# Altium PCB SunS_main_board.PcbDoc (part 1 of 2)
Units mil, origin at the board's own origin, x right, y up, seen from the top; angles counter-clockwise.
Board outline 1161.42 x 1161.42 mil, 6 copper layers (Component Side, GND, Inner Layer 1, Inner Layer 2, VCC, Solder Side), stack 51.068 mil thick; 120 components, 71 nets, 337 pads, 106 vias.
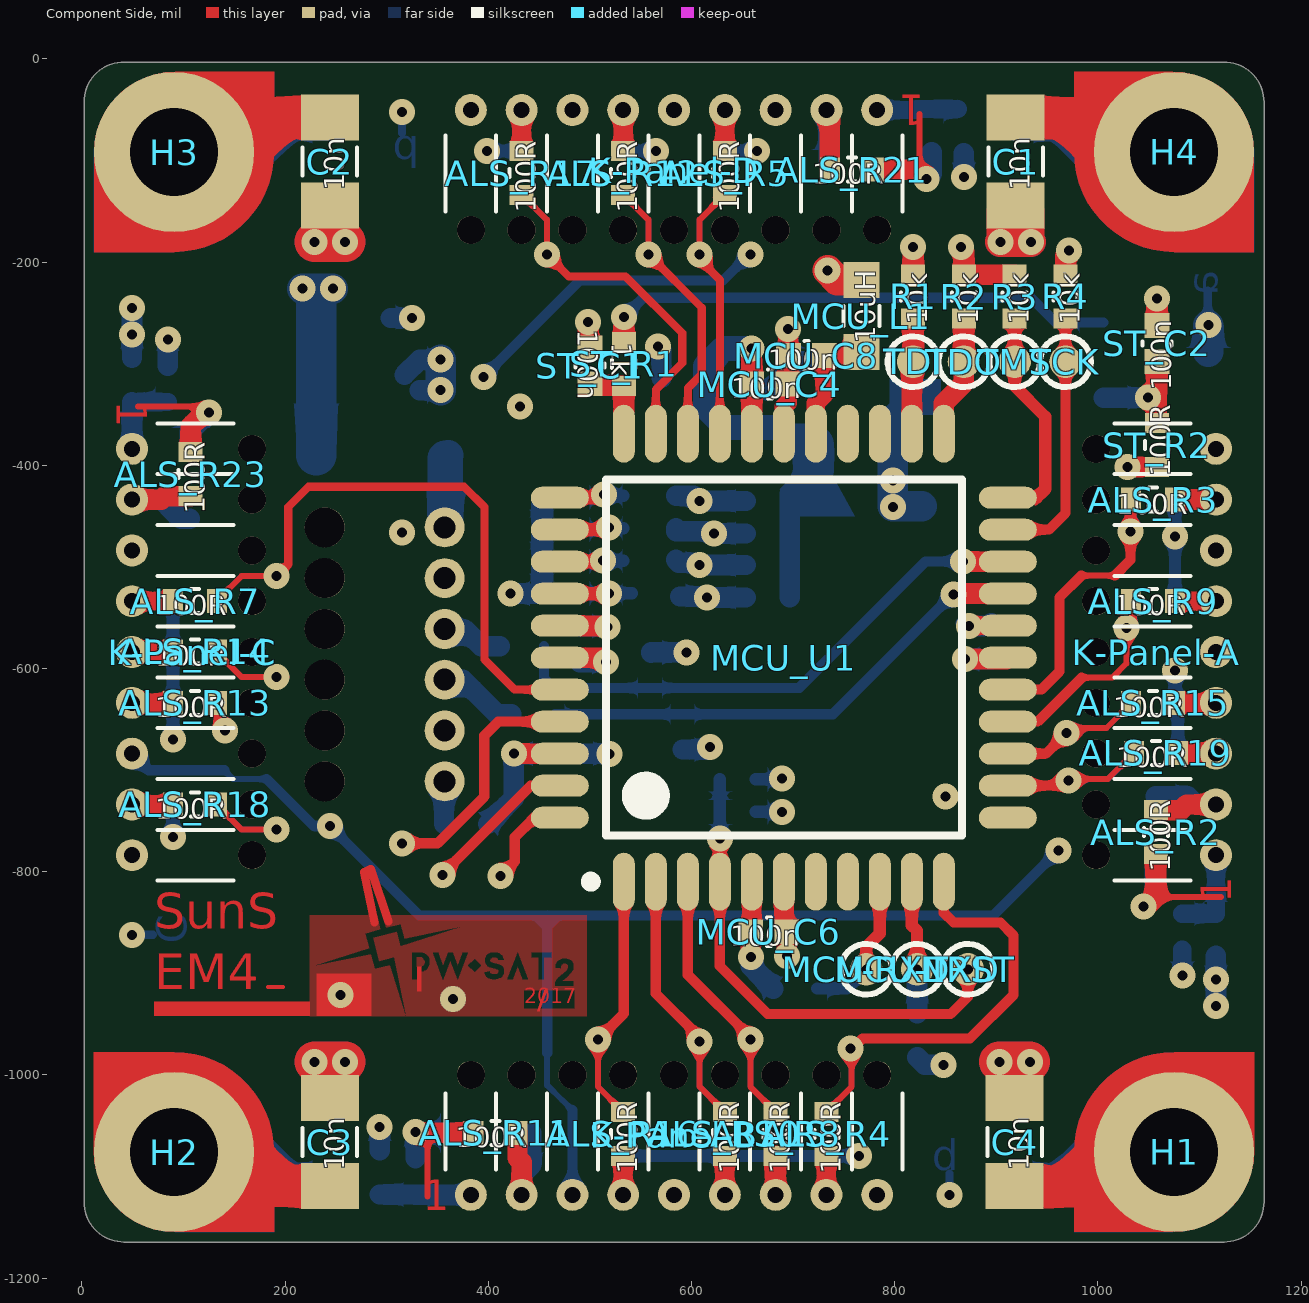
[diagram p0: Component Side view]
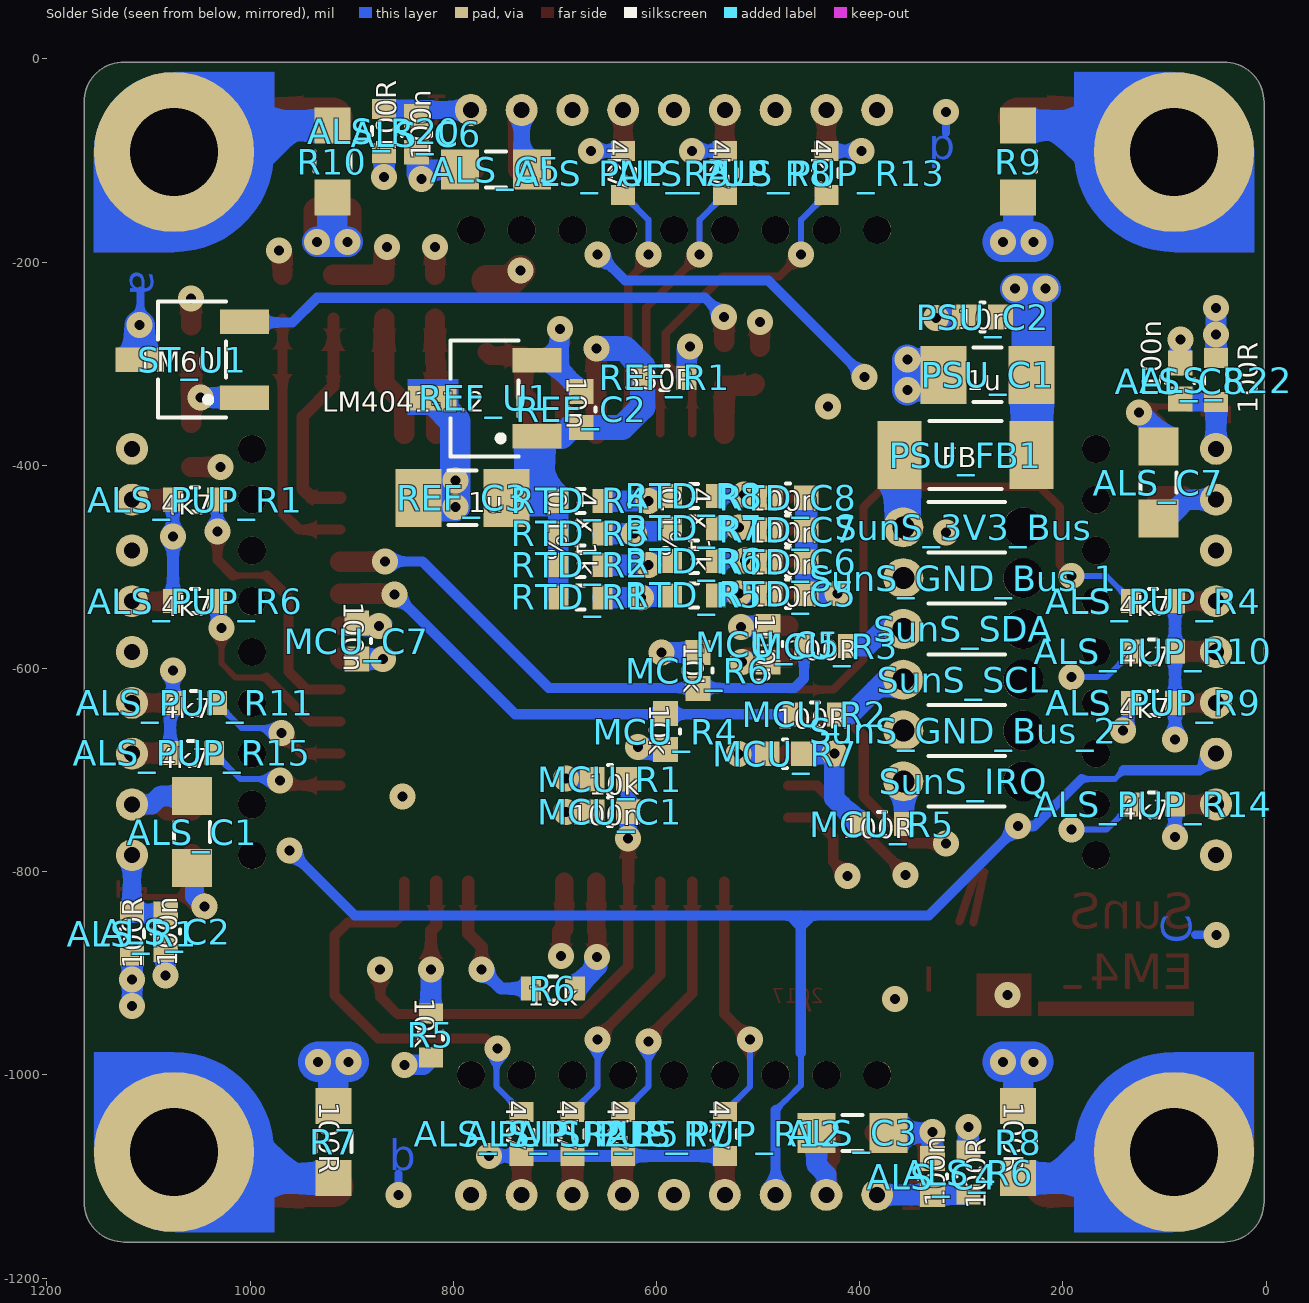
[diagram p1: Solder Side view, seen from below]
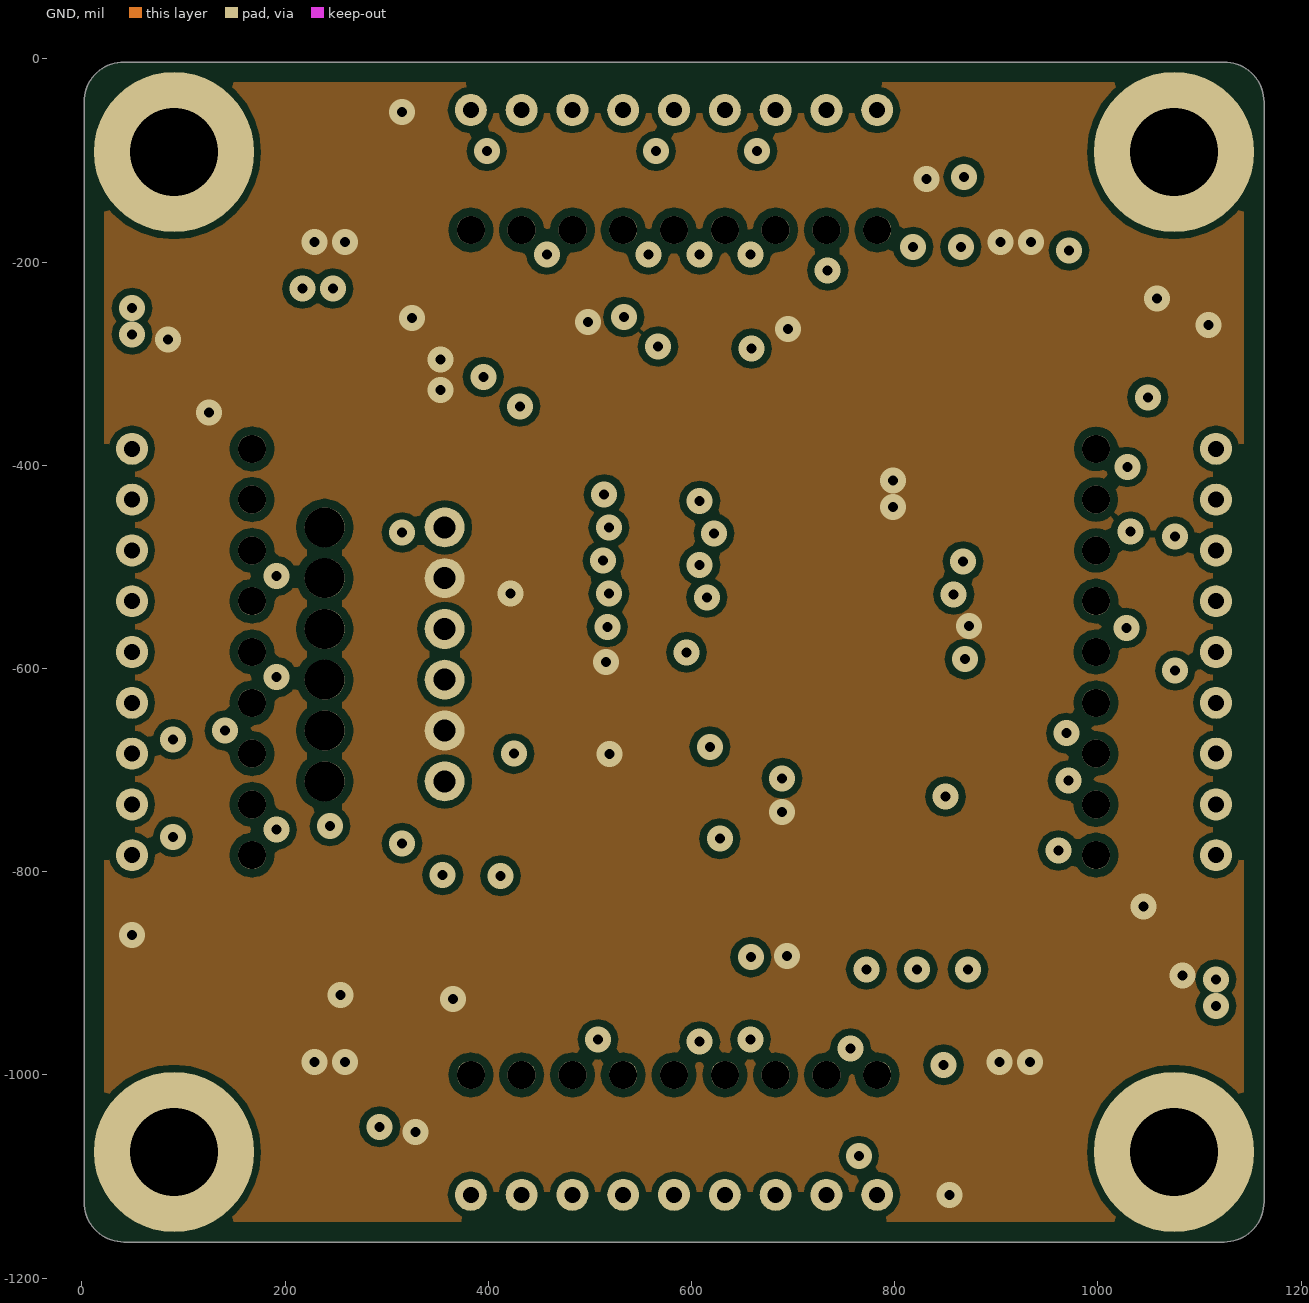
[diagram p2: GND]
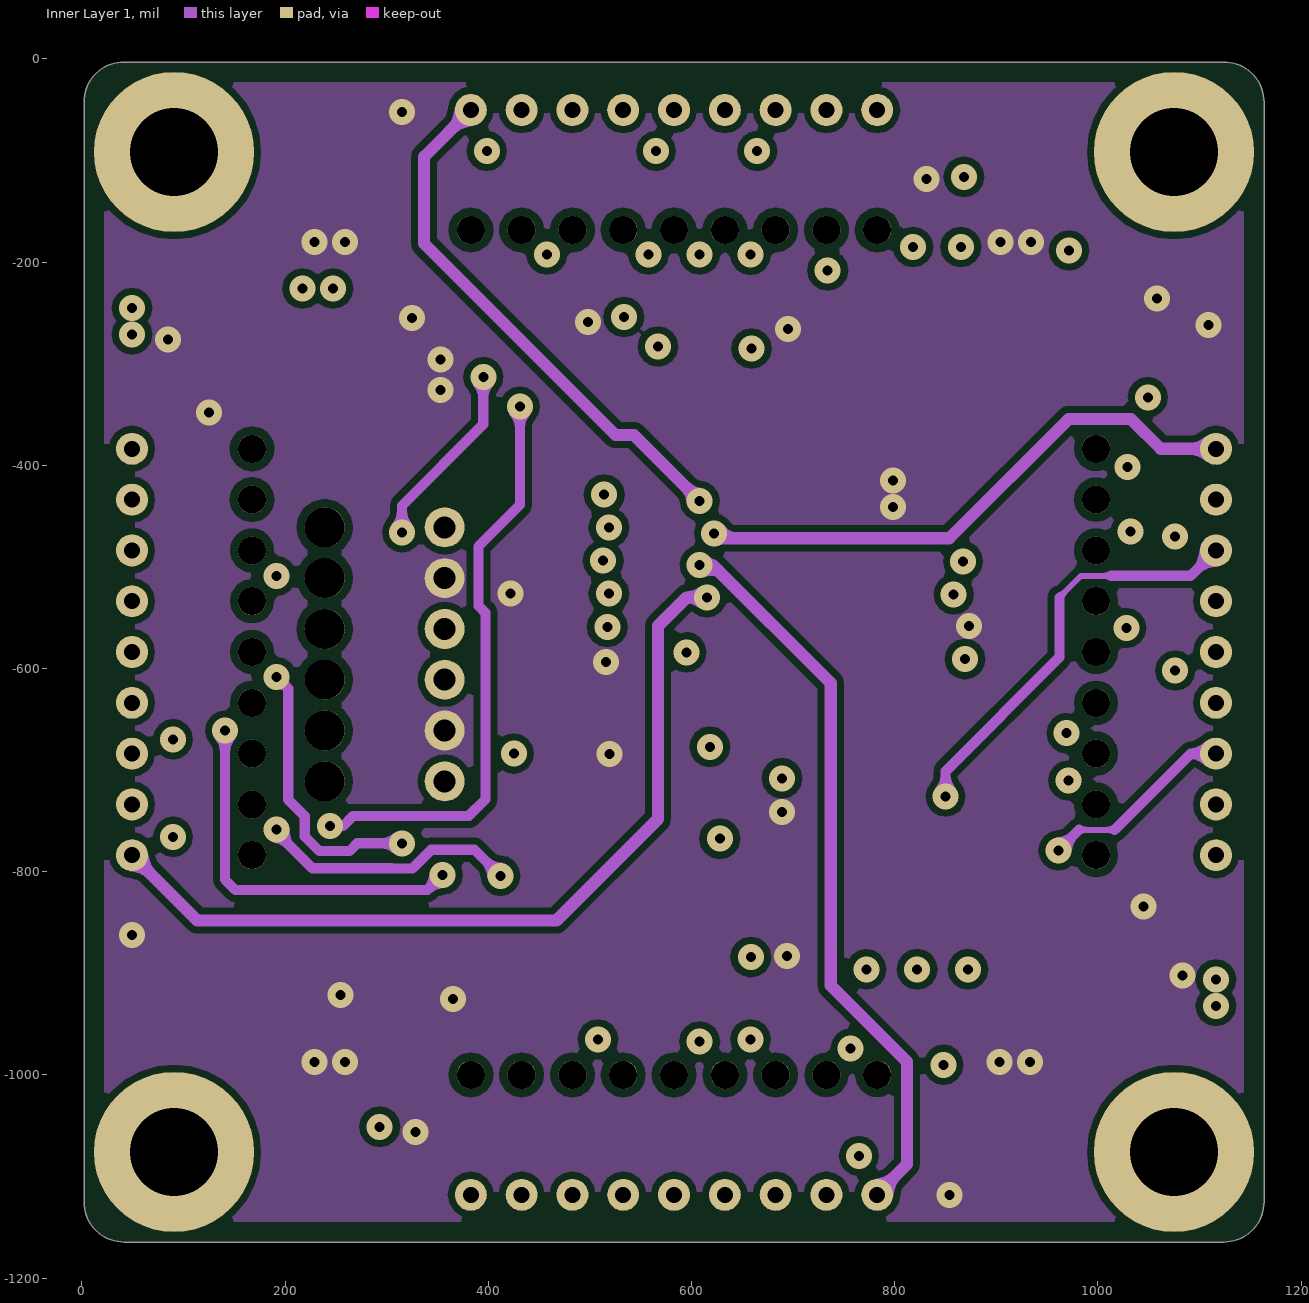
[diagram p3: Inner Layer 1]
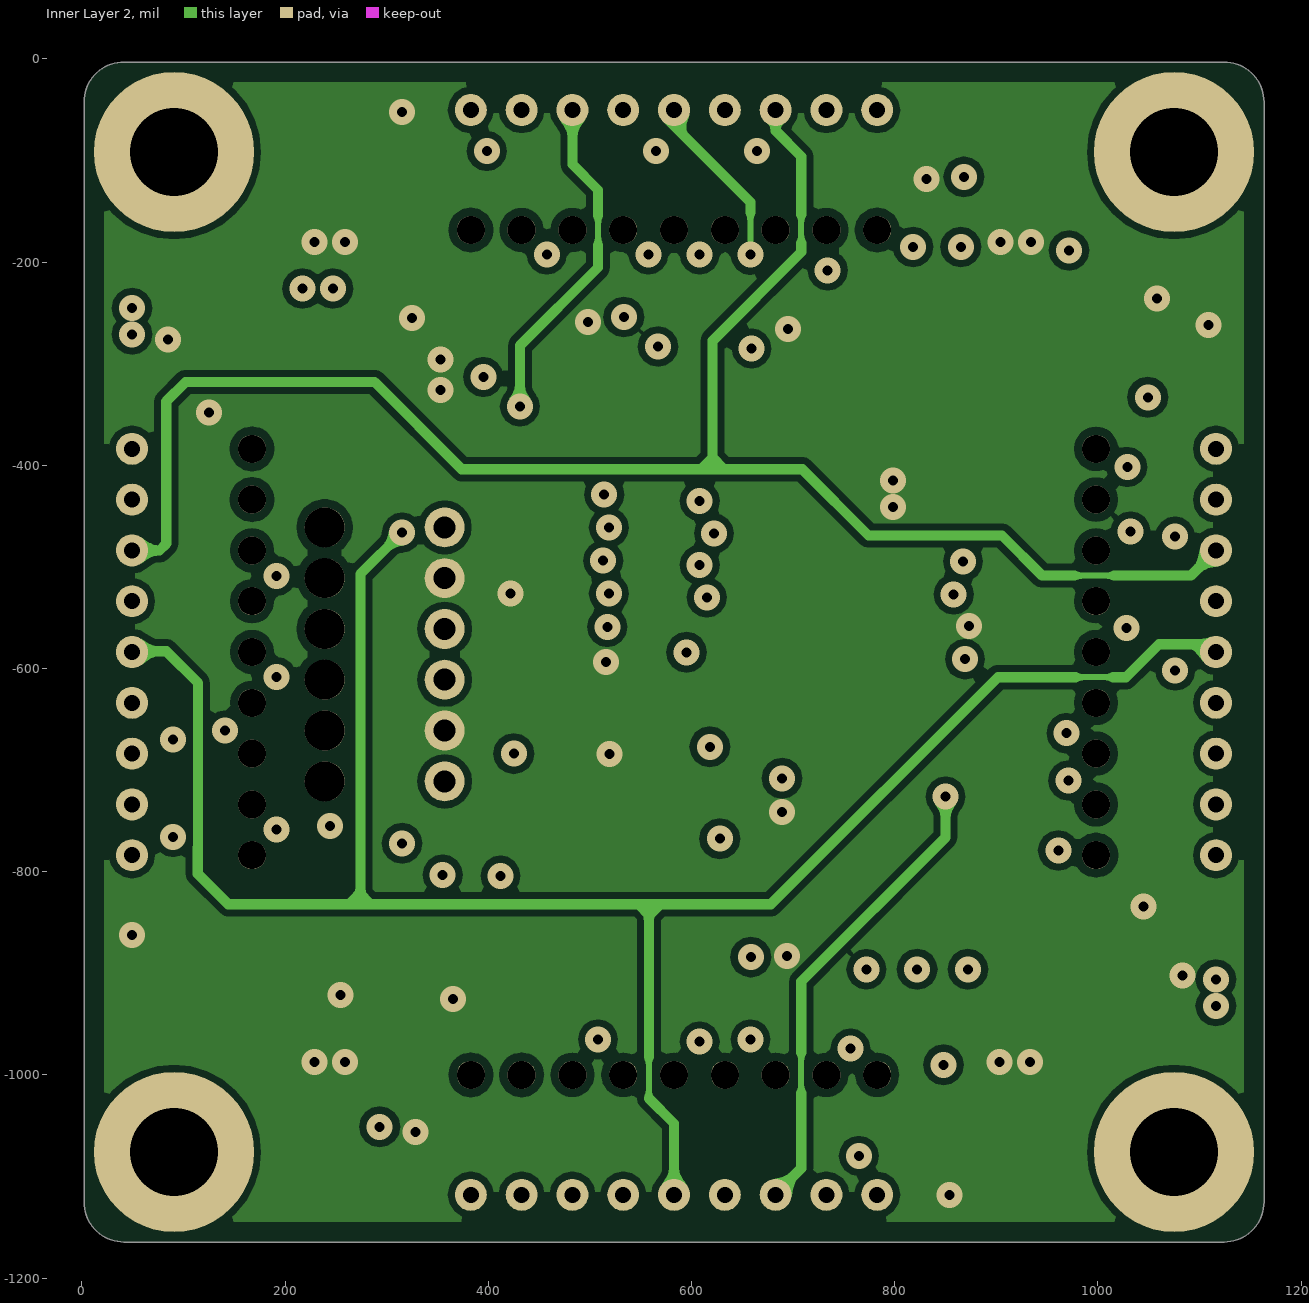
[diagram p4: Inner Layer 2]
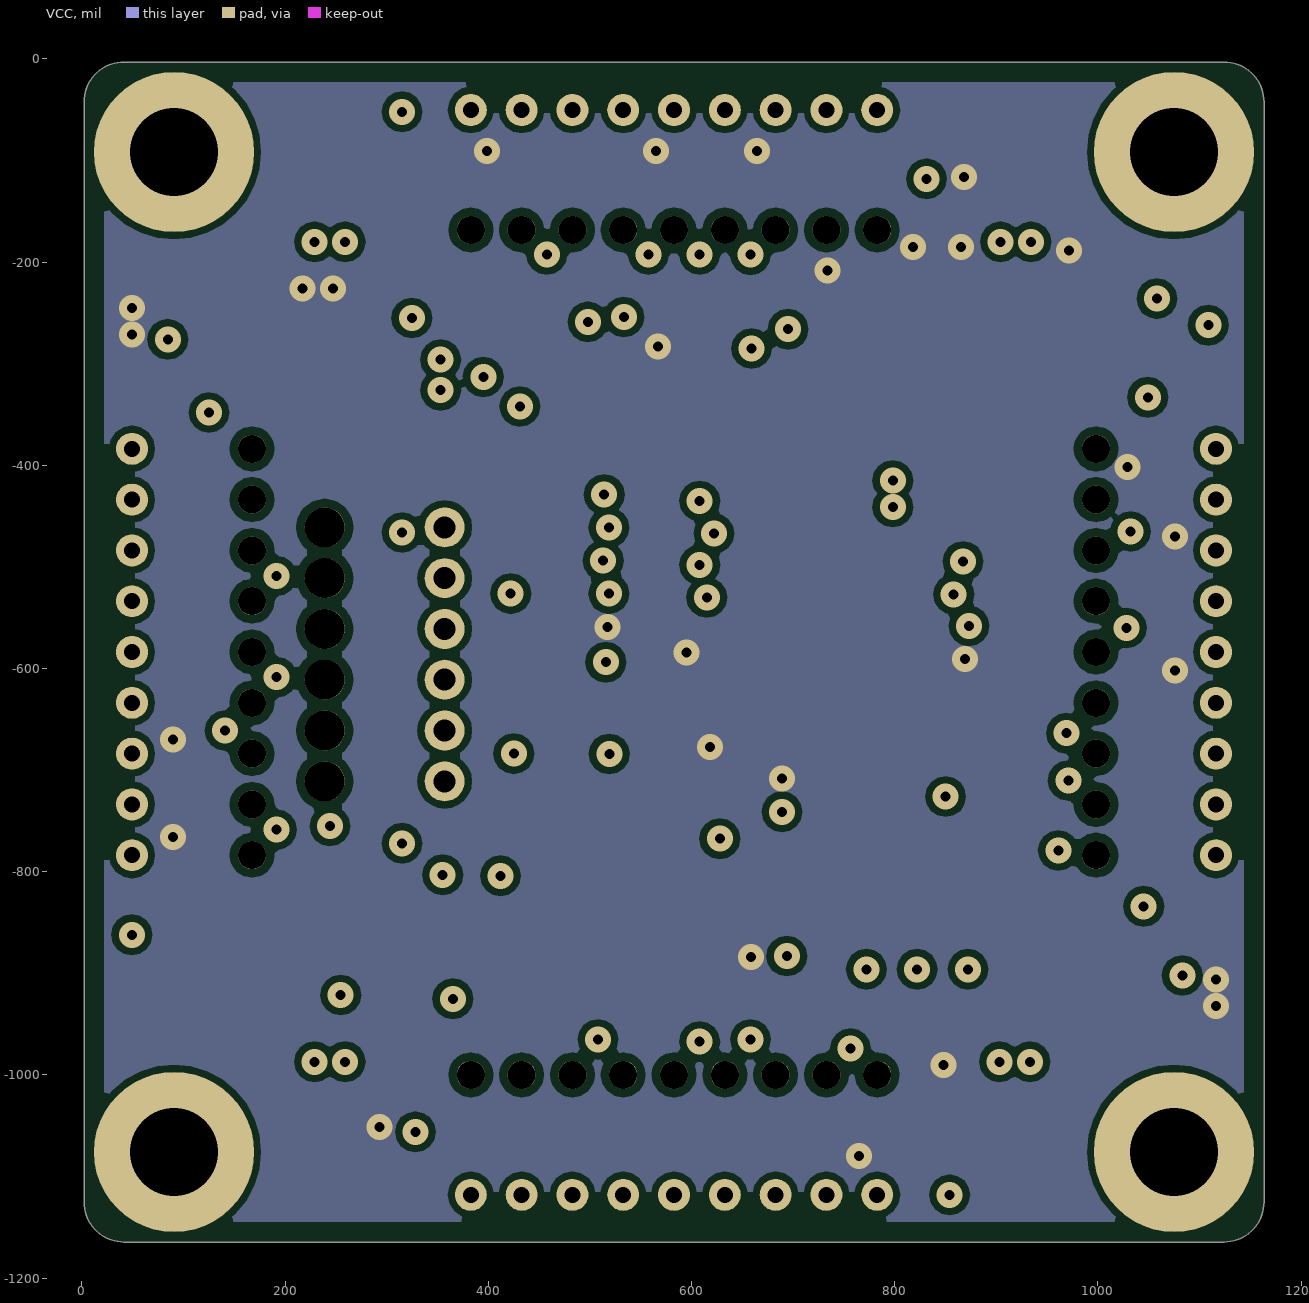
[diagram p5: VCC]
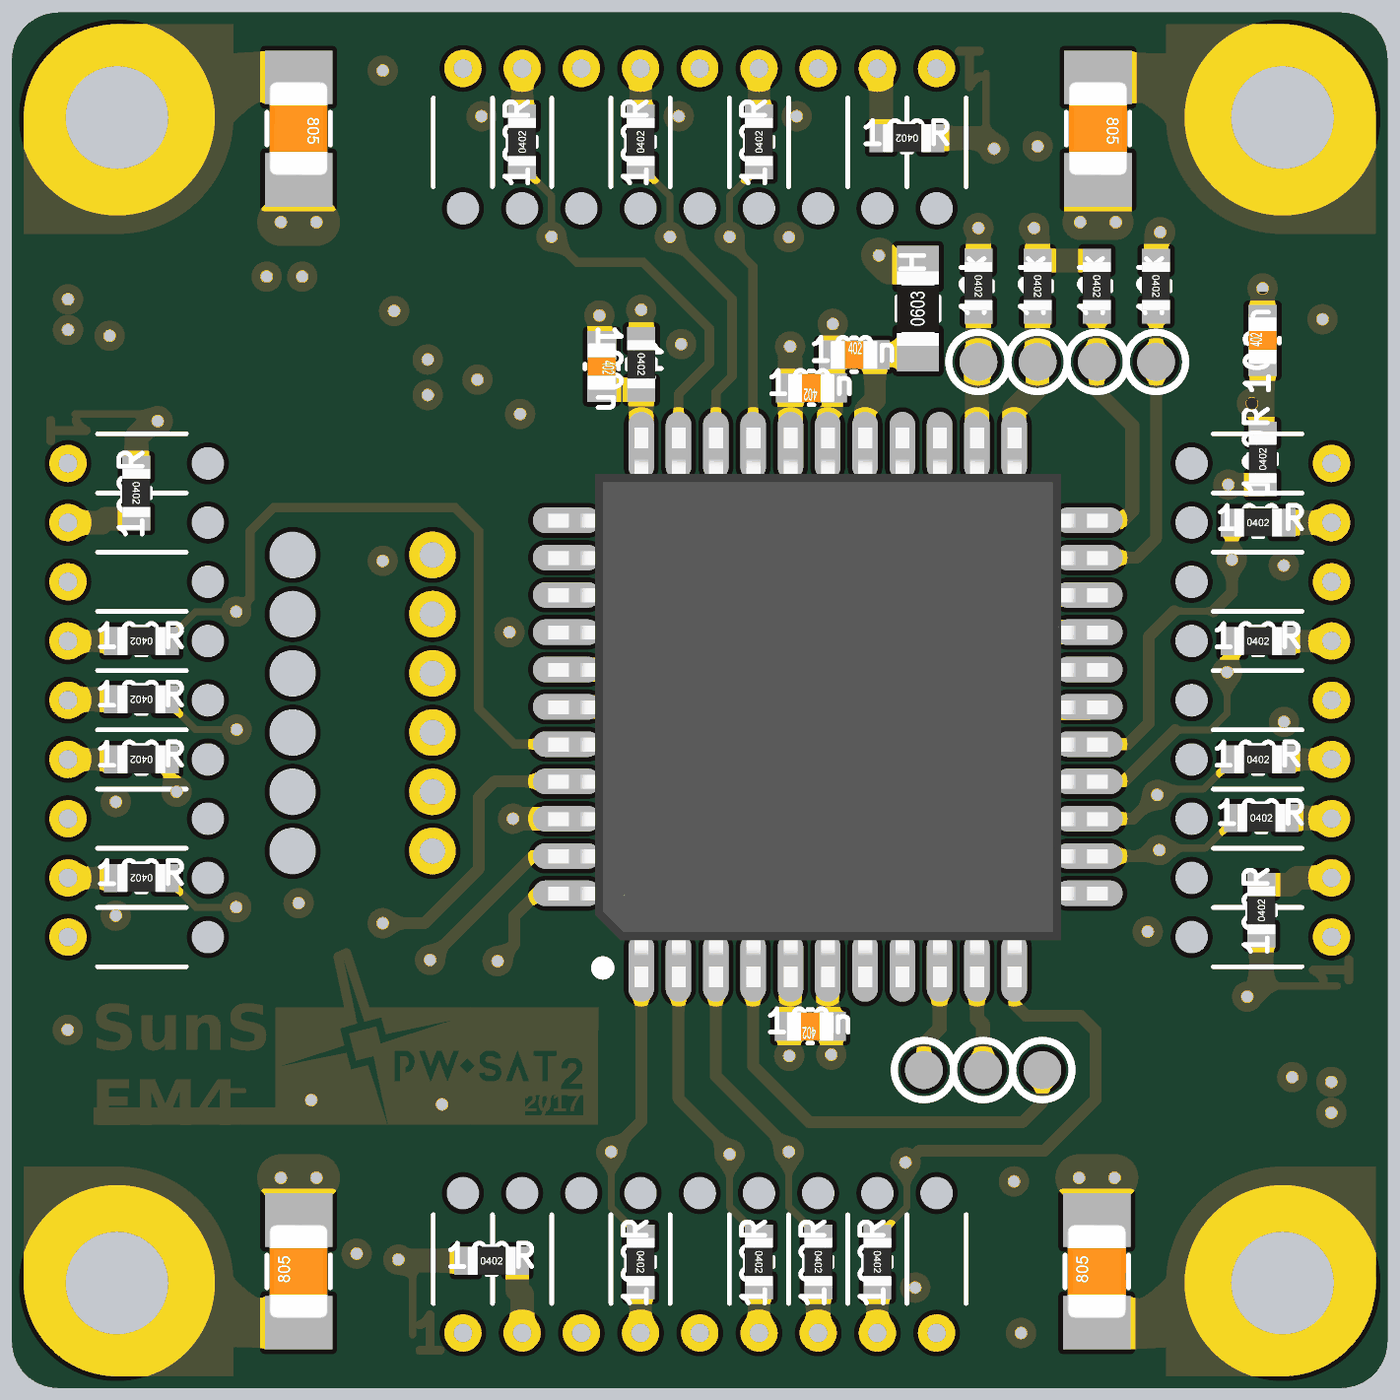
[diagram p7: 3D render of the assembled board from above, using the file's embedded part models]